# Allegro board BeagleBoard-X15_RevA2.brd (continued)
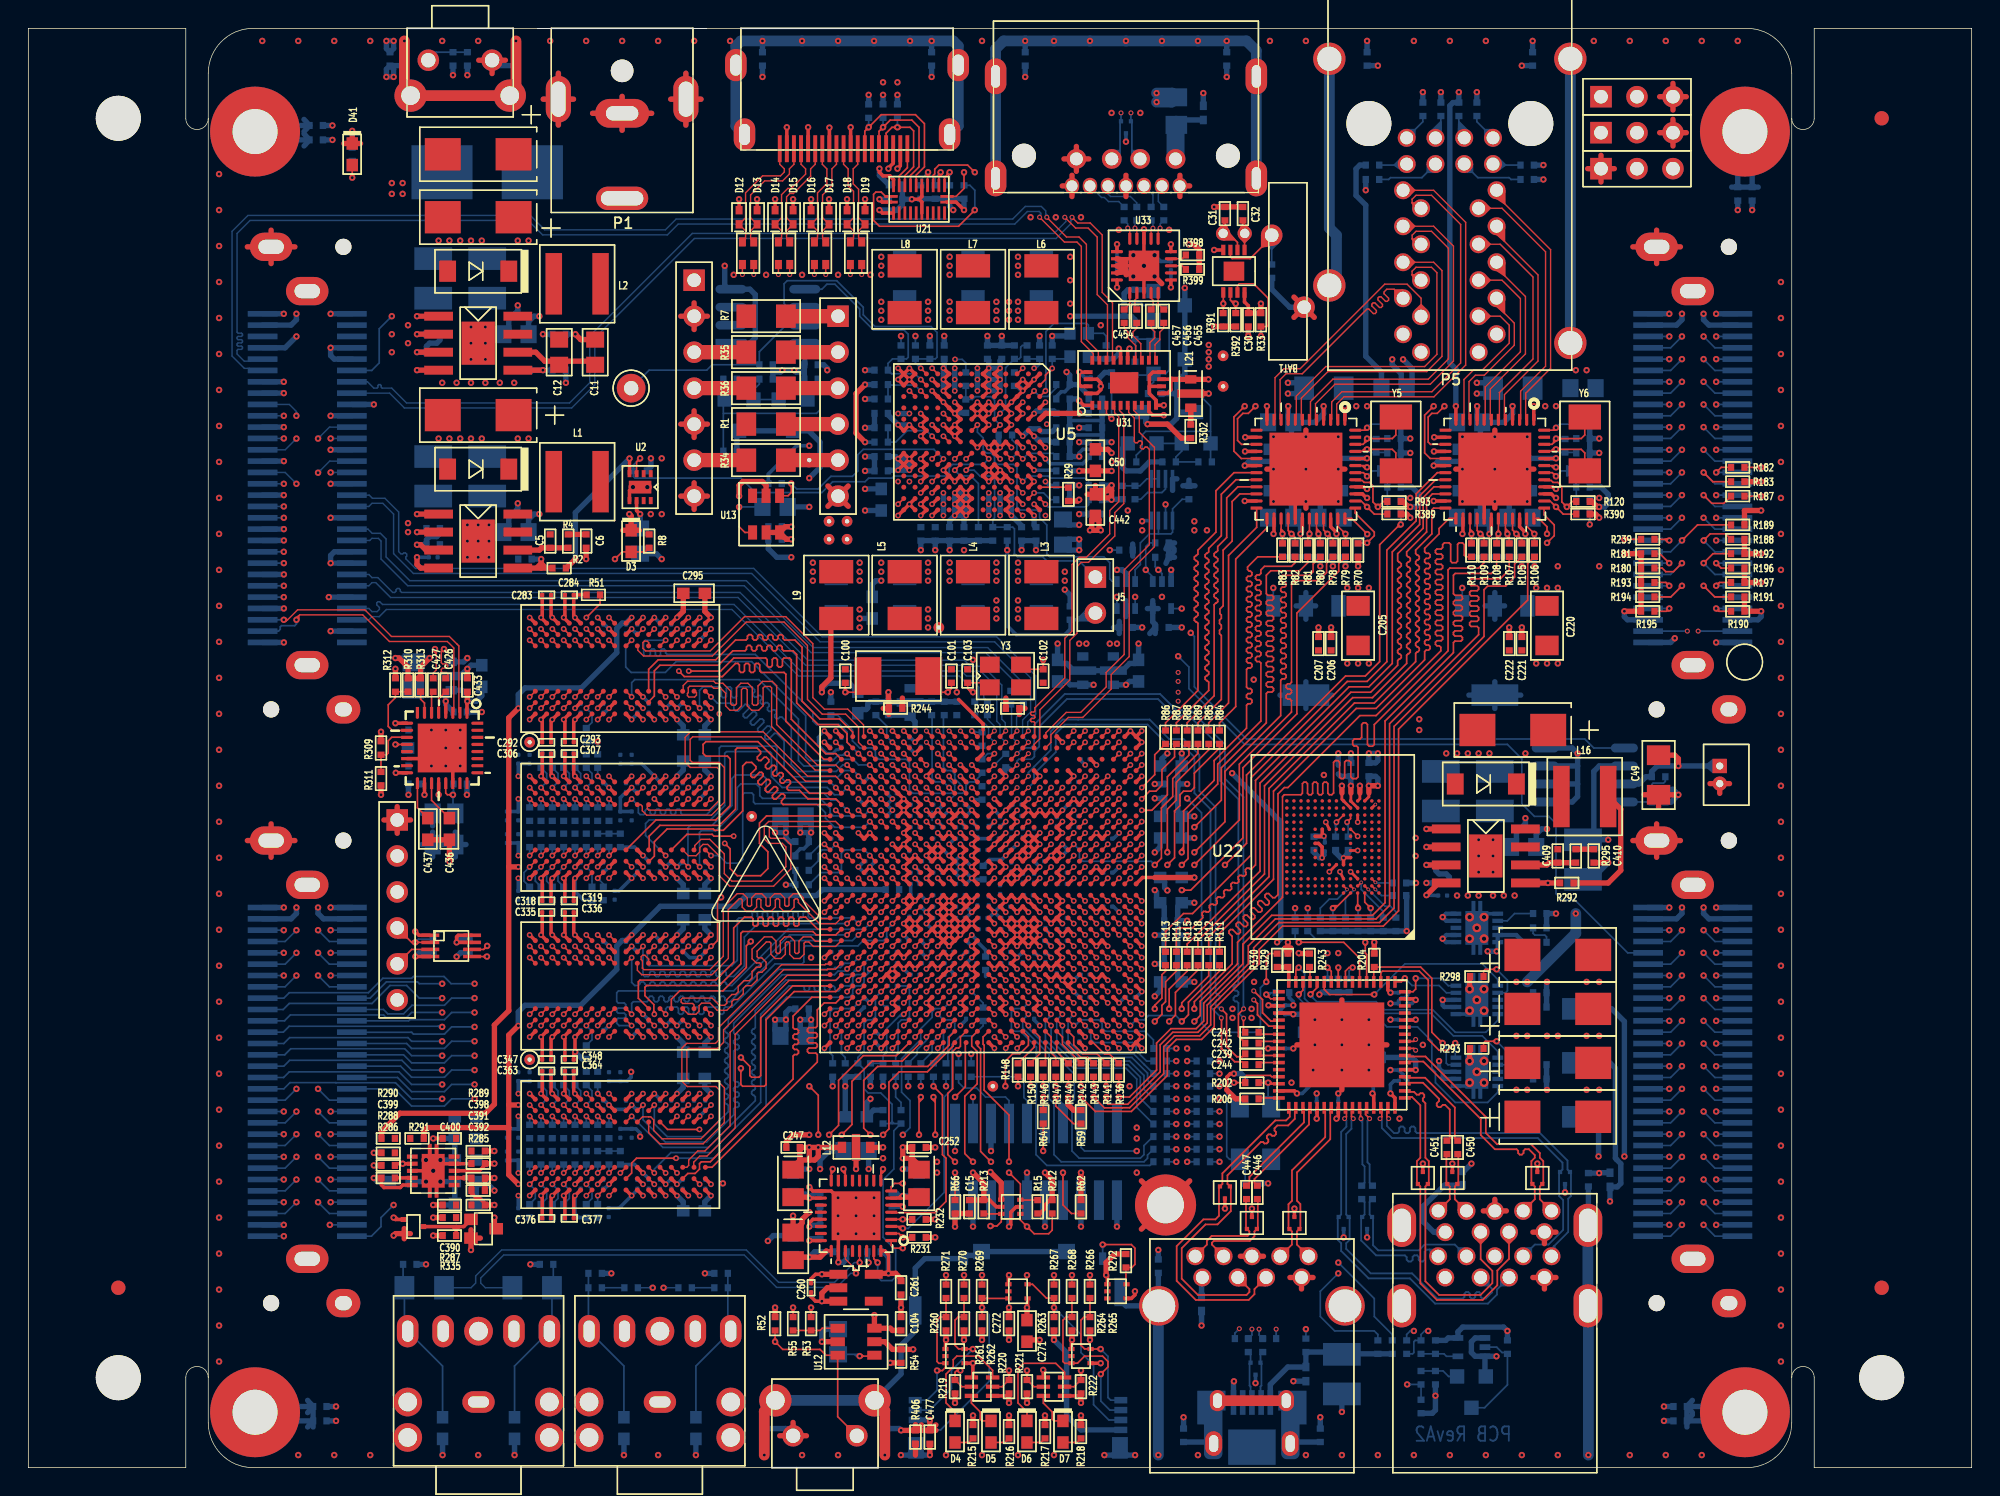
[diagram p0: board, top side]
## Routing (per net, layer and track width the routed paths; a pad name or vN(x,y) marks a point on that pad's centre or on a via; arc(x,y) is an arc through that point) (continued)
USB1V:
  vias: v2(105.03,26.67) v2(105.79,26.67)
USB1VBUS: length 39.9
  SIG_L10 w0.381: P13.1 82.08,13.43 81.28,14.22 81.28,16 87.25,21.97 v2(110.83,21.97)
  BOTTOM w0.381: L18.2 v2(110.83,21.97) ; D35.1 82.8,13.37 P13.1
USB2_5V: length 11.5
  BOTTOM w0.381: P7.1 87.66,5.87 88.89,7.1 D42.1 R31.1 92.55,8.16 C479.1 92.74,8.03 R320.1 R412.1
USB2_DM: length 67.2
  TOP w0.127: U11.AF11 v3(70.59,50.41)
  INT_L3 w0.114: v3(81.15,54.74) 81.29,54.6 81.81,54.6 83.86,52.55 83.86,30.25 83.3,29.69 83.3,17.25 81.53,15.48 81.53,13.47 83.21,11.8 85.88,11.8 86.8,10.87 86.8,9.84 v3(86.87,9.78)
  SIG_L10 w0.114: v3(70.59,50.41) 70.99,50.81 70.99,52.71 74.41,56.12 78.5,56.12 80.01,54.61 81.03,54.61 v3(81.15,54.74)
  BOTTOM w0.127: v3(86.87,9.78) 86.87,9.36 R315.1
USB2_DMEX: length 92.5
  INT_L3 w0.114: v3(88.07,9.78) 88.07,10.21 88.19,10.33 88.48,10.33 88.64,10.16 88.64,9.55 88.75,9.45 88.89,9.45 88.99,9.55 88.99,10.22 89.09,10.33 89.23,10.33 89.33,10.22 89.33,9.55 89.43,9.45 89.57,9.45 89.67,9.55 89.67,10.17 89.83,10.33 90.5,10.33 92.05,8.78 120.17,8.78 121.92,10.53 121.92,54.37 117.66,58.63 117.66,58.85 v3(117.86,59.05)
  BOTTOM w0.127: R315.2 v3(88.07,9.78) ; P16.29 v3(117.86,59.05)
USB2_DP: length 67.1
  TOP w0.127: U11.AE11 v3(70.59,49.61)
  INT_L3 w0.114: v3(81.15,54.1) 81.28,54.23 81.66,54.23 83.49,52.4 83.49,30.4 82.93,29.84 82.93,17.4 81.17,15.63 81.17,13.32 83.06,11.43 85.72,11.43 85.9,11.25 85.9,11 86.06,10.85 86.31,10.85 86.44,10.72 86.44,9.86 v3(86.36,9.78)
  SIG_L10 w0.114: v3(70.59,49.61) 70.97,49.99 70.97,50.27 71.36,50.66 71.36,52.55 74.56,55.75 78.35,55.75 79.86,54.24 81.01,54.24 v3(81.15,54.1)
  BOTTOM w0.127: v3(86.36,9.78) 86.36,9.36 R210.1
USB2_DPEX: length 92.4
  INT_L3 w0.114: v3(117.09,59.05) 117.29,58.85 117.29,58.48 121.55,54.22 121.55,10.68 120.02,9.14 92.2,9.14 90.65,10.69 88.03,10.69 87.7,10.36 87.7,9.73 87.25,9.27 86.23,9.27 85.69,9.81 v3(85.47,9.81)
  BOTTOM w0.127: R314.2 85.16,9.49 v3(85.47,9.81) ; P16.59 v3(117.09,59.05)
USB2_DRVBUS: length 102.9
  TOP w0.12: U11.AC10 v1(71.39,48.01)
  SIG_L5 w0.381: v2(18.03,17.14) 20.45,17.14 24.83,12.76 41.34,12.76 41.73,13.15 62.68,13.15 64.39,14.86 73.28,14.86 75.82,17.4 75.82,24 77.72,25.91 v2(77.72,26.92)
  SIG_L10 w0.381: v2(88.14,37.08) 87.63,37.08 83.06,32.51 83.06,31.24 82.17,30.35 80.9,30.35 77.72,27.18 v2(77.72,26.92)
  BOTTOM w0.381: v2(84.96,49.02) 88.39,45.59 88.39,37.34 v2(88.14,37.08) ; P17.59 v2(18.03,17.14)
USB2_ID: length 53.2
  TOP w0.12: U11.E25 v1(58.59,32.81)
  SIG_L5 w0.094: v1(58.59,32.81) 58.17,32.38 58.17,31.89 57.84,31.56 57.59,31.56 57.34,31.3 57.34,31.05 57.14,30.85 56.76,30.85 56.26,30.35 55.64,30.35 51.05,25.77 51.05,22.1 v2(49.02,20.07)
  SIG_L8 w0.094: v2(25.78,18.54) 26.27,18.06 33.89,18.06 34.42,17.53 47,17.53 49.02,19.54 v2(49.02,20.07)
  BOTTOM w0.12: v2(25.78,18.54) 24.89,17.65 24.89,17.02 24.21,16.34 P17.30 ; R321.2 56.77,29.08 56.59,29.27 56.59,32.17 56.82,32.41 58.19,32.41 v1(58.59,32.81)
USB2_OC: length 48.4
  TOP w0.12: U11.B24 v1(59.39,30.41)
  SIG_L8 w0.094: v2(21.28,17.14) 21.53,16.89 47.37,16.89 51.31,20.83 51.31,24 57.4,30.1 57.4,30.61 57.58,30.78 59.01,30.78 59.38,30.41 v1(59.39,30.41)
  BOTTOM w0.12: P17.29 v2(21.28,17.14)
USB2_VBUS: length 79.1
  TOP w0.12: v1(69.39,71.21) U5.D8
  INT_L3 w0.094: v2(86.49,55.63) 87,55.12 87,22.23 92.46,16.76 v2(92.46,14.48)
  SIG_L5 w0.094: v1(69.39,71.21) 69.39,71.2 70.61,69.98 70.61,69.47 70.87,69.22 71.12,69.22 71.37,68.96 71.37,67.12 72.01,66.49 72.01,64.9 78.11,58.8 78.74,58.8 80.77,56.77 85.34,56.77 v2(86.49,55.63)
  BOTTOM w0.12: v2(92.46,14.48) 95,11.94 95,10.67 96.27,9.4 R412.2 ; R411.1 69.44,72.55 69.78,72.21 69.78,71.6 v1(69.39,71.21)
USB2V:
  vias: v2(105.03,30.48) v2(105.79,30.48)
USB2VBUS: length 27.9
  SIG_L10 w0.381: v2(111.63,18.8) 111.63,15.88 110.36,14.61 109.6,14.61 107.44,12.45 100.98,12.45 P15.1
  BOTTOM w0.381: v2(111.63,18.8) D34.1 112.15,19.82 112.39,20.07 112.39,21.45 112.1,21.74 112.1,21.76 112.01,21.84 112.01,28.19 111.63,28.57 L17.2
USB2VBUS_EXP: length 87.7
  SIG_L5 w0.094: v2(92.46,13.72) 91.95,13.72 90.42,12.19 82.04,12.19 81.03,13.21 77.72,13.21 76.71,12.19 24.64,12.19 20.49,16.34 v2(18.03,16.34)
  BOTTOM w0.12: R320.2 95.25,9.4 95,9.65 92.2,9.65 91.19,10.67 91.19,12.45 v2(92.46,13.72) ; P17.60 v2(18.03,16.34)
USB3V:
  vias: v2(107.19,30.48) v2(107.95,30.48)
USB3VBUS: length 34.3
  SIG_L8 w0.381: P15.10 100.46,17.08 100.46,18.77 101.88,20.19 111.63,20.19 112.65,21.21 v2(112.65,21.97)
  BOTTOM w0.381: P15.10 99.2,16.63 98.5,17.32 98.5,18.49 99.96,19.95 D36.1 ; v2(112.65,21.97) 112.65,31.5 111.76,32.38 L19.2
USB4V: length 116
  SIG_L10 w0.762: v2(109.22,39.12) 112.39,42.29 112.39,44.83 113.92,46.35 119.76,46.35 121.54,48.13 121.54,86.74 118.11,90.17 110.36,90.17 109.6,90.93 109.6,95 106.68,97.92 93.73,97.92 91.82,96.01 80.01,96.01 v2(79.63,96.39) v2(79.63,97.03)
  BOTTOM w0.762: v2(105.79,34.29) 109.22,37.72 v2(109.22,39.12) ; v2(79.63,96.39) 80.69,96.39 L20.1 80.73,97.03 v2(79.63,97.03)
  vias: v2(105.03,34.29)
USB4VBUS: length 4.5
  BOTTOM w0.381: D37.1 81.37,95.13 L20.2
  BOTTOM w1.27: L20.2 80.97,94.73 P6.1
USB_5V: length 39.7
  TOP w0.381: R292.1 111.51,41.27 112.39,42.16 112.39,46.48 L16.2
  INT_L3 w0.381: v2(99.82,33.02) 99.82,33.91 99.31,34.42 99.31,44.07 v2(105.66,50.42)
  SIG_L8 w0.381: v2(99.57,28.7) 99.19,29.08 99.19,32.38 v2(99.82,33.02)
  BOTTOM w0.305: 99.82,27.94 99.57,28.19 v2(99.57,28.7) ; 99.82,27.94 99.82,27.56 99.94,27.44 U29.2 ; 99.82,27.94 U29.3 ; U30.3 v2(99.82,33.02) 99.82,32.64 99.94,32.52 U30.2
USB_DM0: length 24.2
  TOP w0.127: U17.2 89.39,25.33 89.39,24.62 88.92,24.16 88.16,24.16 87.96,23.95 87.96,23.79 88.05,23.7 88.05,23.54 87.94,23.43 87.78,23.43 87.69,23.53 87.53,23.53 87.42,23.41 87.42,23.26 87.52,23.16 87.52,23 87.4,22.89 87.25,22.89 87.15,22.99 86.99,22.99 84.63,20.63 84.63,20.03 D27.1 84.87,19.79 84.87,18.11 83.93,17.17 83.08,17.17 81.41,15.49 81.41,13.34 82.55,12.19 85.98,12.19 86.18,12.4 86.18,12.6 P13.2
USB_DM1: length 25.1
  TOP w0.127: U17.10 93.39,25.33 93.39,24.76 v3(93.51,24.64)
  BOTTOM w0.127: P15.2 103.3,12.63 103.3,12.37 102.87,11.94 102.62,11.94 102.5,12.05 102.5,12.28 102.39,12.4 102.23,12.4 102.12,12.28 102.12,12.05 102.01,11.94 101.85,11.94 101.74,12.05 101.74,12.28 101.63,12.4 101.47,12.4 101.36,12.28 101.36,12.05 101.25,11.94 99.44,11.94 97.66,13.72 94.74,13.72 93.01,15.44 93.01,15.84 93.26,16.08 93.26,17.63 D30.2 93.01,17.87 93.01,23.55 93.39,23.92 93.39,24.51 v3(93.51,24.64)
USB_DM2: length 24.5
  TOP w0.127: U17.18 97.23,26.52 97.8,26.52 98,26.33 98.15,26.33 98.25,26.43 98.41,26.43 98.52,26.32 98.52,26.16 98.42,26.06 98.42,25.9 98.6,25.73 98.6,21.88 98.84,21.64 98.84,20.09 D33.2 98.6,19.85 98.6,13.16 99.57,12.19 102.49,12.19 103.33,13.03 103.33,13.89 102.5,14.72 P15.11
USB_DM3: length 85.6
  TOP w0.127: U17.25 97.78,30.09 v3(97.92,30.23)
  INT_L3 w0.114: v3(77.82,95.63) 77.61,95.85 77.61,96.13 77.74,96.27 78.49,96.27 79.21,95.54 80.23,95.54 80.31,95.46 80.31,95.3 80.01,95 80.01,94.87 80.14,94.74 80.26,94.74 80.56,95.04 80.73,95.04 80.84,94.93 80.84,94.81 80.54,94.51 80.54,94.34 80.65,94.23 80.81,94.23 81.09,94.51 81.26,94.51 82.37,93.4 82.37,74.73 83.06,74.04 83.06,67.82 88.27,62.61 88.27,38.98 90.18,37.06 90.18,35.41 91.68,33.91 91.68,33.29 94.32,30.65 98.33,30.65 98.44,30.53 98.44,30.34 98.33,30.23 v3(97.92,30.23)
  BOTTOM w0.127: v3(77.82,95.63) D32.2 77.89,94.97 77.89,92.96 P6.2
USB_DP0: length 24.2
  TOP w0.127: U17.1 89.03,25.33 89.03,24.77 88.77,24.51 88.01,24.51 84.28,20.78 84.28,20.03 D27.2 84.04,19.79 84.04,17.78 83.78,17.53 82.94,17.53 81.05,15.64 81.05,13.19 82.4,11.84 86.13,11.84 86.54,12.25 86.54,12.6 P13.3
USB_DP1: length 24.9
  TOP w0.127: U17.9 93.03,25.33 93.03,24.77 v3(92.9,24.64)
  BOTTOM w0.127: 104.51,13.43 103.66,12.58 103.66,12.22 103.02,11.58 99.29,11.58 97.51,13.36 94.59,13.36 92.66,15.3 92.66,15.84 92.42,16.08 92.42,17.63 D30.1 92.66,17.87 92.66,23.7 93.03,24.07 93.03,24.51 v3(92.9,24.64)
USB_DP2: length 24.6
  TOP w0.127: U17.17 97.23,26.17 97.66,26.17 98.25,25.58 98.25,21.88 98.01,21.64 98.01,20.09 D33.1 98.25,19.85 98.25,13.01 99.42,11.84 102.64,11.84 103.68,12.87 103.68,13.91 104.51,14.74 104.51,16.63
USB_DP3: length 85.7
  TOP w0.127: U17.24 97.78,29.6 v3(97.92,29.46)
  INT_L3 w0.114: v3(97.92,29.46) 98.45,29.46 98.78,29.8 98.78,30.67 98.47,30.99 96.74,30.99 96.72,31.01 94.48,31.01 92.05,33.44 92.05,34.06 90.55,35.56 90.55,37.21 88.63,39.13 88.63,62.76 83.43,67.97 83.43,74.19 82.73,74.89 82.73,93.54 80.39,95.89 80.08,95.89 80.08,95.89 79.39,95.89 78.85,96.42 78.64,96.63 78.02,96.63 77.58,96.63 77.22,96.27 77.22,95.73 v3(77.12,95.63)
  BOTTOM w0.127: v3(77.12,95.63) D32.1 77.05,94.97 77.05,92.96 P6.3
USB_R1: length 1.5
  TOP w0.12: 88.27,26.1 86.9,26.1 R206.2
USB_RXM0: length 12
  TOP w0.127: P13.5 89.54,15.75 89.54,16.67 89.78,16.92 89.78,18.6 89.54,18.84 89.54,20.84 91.89,23.19 91.89,25.33 U17.7
USB_RXM1: length 23.9
  TOP w0.127: U17.15 95.89,25.33 95.89,24.76 v3(96.01,24.64)
  BOTTOM w0.127: P15.5 107.7,15.12 107.7,15.65 108.68,16.64 108.68,18.98 108.88,19.18 108.88,20.8 D28.2 108.64,21.04 108.64,21.67 106.69,23.62 98.01,23.62 97.9,23.73 97.9,23.97 97.78,24.08 97.63,24.08 97.52,23.97 97.52,23.73 97.4,23.62 97.25,23.62 97.13,23.73 97.13,23.97 97.02,24.08 96.87,24.08 96.75,23.97 96.75,23.73 96.64,23.62 96.39,23.62 95.89,24.12 95.89,24.51 v3(96.01,24.64)
USB_RXM2: length 17.7
  TOP w0.127: P15.14 106.68,18.95 106.68,19.85 D38.2 106.92,20.09 106.92,21.64 106.68,21.88 106.68,22.2 106.05,22.83 103.66,22.83 102.87,23.62 102.87,24.76 98.61,29.02 97.23,29.02 U17.23
USB_RXP0: length 12
  TOP w0.127: U17.6 91.53,25.33 91.53,23.33 89.19,20.99 89.19,18.84 88.94,18.59 88.94,16.92 89.18,16.67 89.18,15.75 P13.6
USB_RXP1: length 23.9
  TOP w0.127: v3(95.4,24.64) 95.53,24.77 95.53,25.33 U17.14
  BOTTOM w0.127: P15.6 106.33,15.75 107.29,15.75 108.33,16.78 108.33,18.89 108.04,19.18 108.04,20.8 D28.1 108.28,21.04 108.28,21.53 106.54,23.27 96.24,23.27 95.53,23.98 95.53,24.51 v3(95.4,24.64)
USB_RXP2: length 17.6
  TOP w0.127: P15.15 106.33,18.95 106.33,19.85 D38.1 106.09,20.09 106.09,21.64 106.33,21.88 106.33,22.06 105.91,22.48 105.64,22.48 105.53,22.37 105.53,22.21 105.42,22.1 105.26,22.1 105.15,22.21 105.15,22.37 105.04,22.48 103.51,22.48 102.51,23.47 102.51,24.61 98.46,28.67 97.23,28.67 U17.22
USB_SNS: length 3.2
  TOP w0.381: R292.2 v2(107.25,41.27) U28.5
  BOTTOM w0.381: v2(107.25,41.27) R296.2
USB_SSRXM0: length 1.5
  TOP w0.127: 88.27,28.6 86.98,28.6 C244.2
USB_SSRXP0: length 1.5
  TOP w0.127: C239.2 86.95,29.1 88.27,29.1
USB_SSTXM0: length 1.5
  TOP w0.127: C242.2 86.96,30.09 88.27,30.09
USB_SSTXP0: length 1.5
  TOP w0.127: C241.2 86.97,30.59 88.27,30.59
USB_TXM0: length 7.2
  TOP w0.127: U17.4 90.39,25.33 90.39,24.23 86.54,20.38 86.54,20.11 C446.1
USB_TXM1: length 5.9
  TOP w0.127: U17.12 94.38,25.32 94.38,24.92 v3(94.67,24.64)
  BOTTOM w0.127: C448.1 94.67,20.11 94.67,21.41 94.51,21.56 94.51,24.49 v3(94.67,24.64)
USB_TXM2: length 6.9
  TOP w0.127: C450.1 100.68,23.28 100.68,25.42 98.58,27.52 97.23,27.52 U17.20
USB_TXP0: length 7.2
  TOP w0.127: U17.3 90.03,25.33 90.03,24.37 86.18,20.52 86.18,20.11 C447.1
USB_TXP1: length 5.7
  TOP w0.127: v3(94.06,24.64) 94.03,24.67 94.03,25.33 U17.11
  BOTTOM w0.127: C449.1 94.31,20.11 94.31,21.26 94.16,21.41 94.16,24.54 v3(94.06,24.64)
USB_TXP2: length 6.9
  TOP w0.127: C451.1 100.33,23.28 100.33,25.28 99.99,25.61 99.84,25.61 99.68,25.45 99.52,25.45 99.41,25.56 99.41,25.72 99.57,25.88 99.57,26.04 98.44,27.17 97.23,27.17 U17.19
USBSP_DM: length 3.7
  BOTTOM w0.127: P7.2 86.96,4.65 86.96,5.73 87.03,5.8 87.03,7.34 D40.2 86.96,8 R211.2
USBSP_DP: length 3.7
  BOTTOM w0.127: R210.2 86.26,8 D40.1 86.19,7.34 86.19,5.8 86.26,5.73 86.26,4.7 P7.3
USR0: length 34.7
  TOP w0.12: v2(65.79,6.86) 65.53,6.86 65.41,6.73 R219.1 65.42,6.19 65.9,5.71 Q3.2 ; U11.F16 v1(65.79,33.61)
  GND_L9 w0.094: v2(64.13,20.83) 64.64,20.32 66.68,20.32 67.18,20.83 67.18,32.77 66.7,33.25 66.14,33.25 v1(65.79,33.61)
  SIG_L10 w0.094: v2(65.79,6.86) 65.41,7.24 65.41,14.35 64.77,14.99 64.77,20.19 v2(64.13,20.83)
USR1: length 30.5
  TOP w0.12: U11.B25 v1(58.59,30.41) ; Q3.5 68.72,5.71 69.2,6.19 R220.1 v2(69.22,6.86)
  SIG_L8 w0.094: v1(58.59,30.41) 58.96,30.03 58.96,29.21 60.71,27.46 60.71,26.67 63.5,23.88 63.5,13.97 69.22,8.26 v2(69.22,6.86)
USR2: length 32.4
  TOP w0.12: v2(70.48,6.86) R221.1 70.5,6.19 70.98,5.71 Q4.2 ; U11.A26 v1(57.79,29.61)
  SIG_L8 w0.094: v2(70.48,6.86) 69.98,6.35 68.96,6.35 68.71,6.6 68.71,8.38 63.25,13.84 63.25,23.75 60.83,26.16 60.45,26.16 59.94,26.67 59.94,27.45 v1(57.79,29.61)
USR3: length 39.3
  TOP w0.12: U11.B22 v1(60.99,30.41) ; v2(74.3,6.86) R222.1 74.28,6.19 73.8,5.71 Q4.5
  GND_L9 w0.094: v1(60.99,30.41) 60.99,30.38 60.58,29.97 60.58,29.21 60.71,29.08 60.71,22.23 v2(60.33,21.84)
  SIG_L10 w0.094: v2(60.33,21.84) 60.71,21.46 62.1,21.46 64.39,19.18 64.39,7.24 65.53,6.1 73.53,6.1 v2(74.3,6.86)
VBG: length 4.8
  TOP w0.12: v1(70.99,72.01) U5.B7
  SIG_L8 w0.381: v2(74.17,72.39) 73.91,72.64 71.62,72.64 v1(70.99,72.01)
  BOTTOM w0.381: C16.2 v2(74.17,72.39)
VDAC_3V3: length 17
  TOP w0.254: C260.1 55.25,13.34 55.56,13.65 v2(56.01,13.65)
  TOP w0.381: 54.48,21.72 55.12,21.72 ; 54.48,21.72 54.45,21.75 C247.1 v2(55.12,22.61) ; 54.48,21.72 53.98,21.21 L15.1 ; 55.12,21.72 v2(55.12,22.61) ; 55.12,21.72 55.5,21.72 55.75,21.97 v2(55.75,22.61) ; U19.1 v2(56.01,13.65) ; v2(55.12,22.61) v2(55.75,22.61) ; L14.1 62.87,21.34 62.36,21.84 ; v2(55.12,18.03) 54.61,17.53 54.61,17.27 53.98,16.64 ; 62.36,21.84 v2(61.72,21.84) v2(61.72,22.61) C252.1 62.39,21.88 62.36,21.84 ; 53.98,16.64 v2(53.98,17.78) ; 53.98,16.64 L13.1 ; v2(55.75,22.61) L12.3
VOUT1_CLK: length 38.5
  SIG_L5 w0.094: v2(115.82,18.74) 114.86,18.74 114.03,19.58 110.22,19.58 109.22,20.57 83.82,20.57 82.36,22.03 81.47,22.03 v2(81.03,22.48)
  BOTTOM w0.12: R149.2 v2(81.03,22.48) ; P18.57 v2(115.82,18.74)
VOUT1_D0: length 38.5
  SIG_L5 w0.094: v2(119.13,20.34) 118.13,21.34 115.7,21.34 114.68,22.35 85.09,22.35 v2(84.07,23.37)
  BOTTOM w0.12: R124.2 v2(84.07,23.37) ; P18.25 v2(119.13,20.34)
VOUT1_D1: length 34.8
  SIG_L5 w0.094: v2(115.82,20.34) 114.57,21.59 110.49,21.59 109.98,22.1 84.84,22.1 84.45,22.48 v2(84.07,22.48)
  BOTTOM w0.12: P18.55 v2(115.82,20.34) ; R125.2 v2(84.07,22.48)
VOUT1_D2: length 37
  SIG_L5 w0.094: v2(116.71,21.94) 116.05,22.61 86.36,22.61 84.71,24.26 v2(84.07,24.26)
  BOTTOM w0.12: R126.2 v2(84.07,24.26) ; P18.54 115.91,21.14 116.71,21.94 v2(116.71,21.94)
VOUT1_D3: length 38.7
  SIG_L5 w0.094: v2(84.07,21.59) 84.58,21.08 109.47,21.08 110.49,20.07 114.68,20.07 115.19,19.56 117.45,19.56 v2(118.24,20.34)
  BOTTOM w0.12: R127.2 v2(84.07,21.59) ; v2(118.24,20.34) 119.04,19.54 P18.26
VOUT1_D4: length 38.6
  SIG_L5 w0.094: v2(116.71,26.74) 116.71,26.29 116.33,25.91 113.41,25.91 111.12,23.62 86.87,23.62 84.45,26.04 v2(84.07,26.04)
  BOTTOM w0.12: P18.48 115.91,25.94 v2(116.71,26.74) ; R128.2 v2(84.07,26.04)
VOUT1_D5: length 35.6
  SIG_L5 w0.094: v2(115.82,25.14) 115.44,24.77 113.54,24.77 111.89,23.11 86.61,23.11 84.58,25.15 v2(84.07,25.15)
  BOTTOM w0.12: P18.49 v2(115.82,25.14) ; R129.2 v2(84.07,25.15)
VOUT1_D6: length 35.9
  SIG_L5 w0.094: v2(115.82,28.34) 110.38,28.34 108.2,26.16 99.7,26.16 98.17,27.69 90.3,27.69 89.66,28.32 86.61,28.32 86.23,28.7 v2(84.07,28.7)
  BOTTOM w0.12: P18.45 v2(115.82,28.34) ; R130.2 v2(84.07,28.7)
VOUT1_D7: length 38.6
  SIG_L5 w0.094: v2(84.07,27.81) 84.45,27.81 84.84,28.19 85.98,28.19 86.36,27.81 89.41,27.81 90.04,27.18 97.92,27.18 99.44,25.65 110.62,25.65 112.65,27.69 116.46,27.69 116.71,27.94 v2(116.71,28.34)
  BOTTOM w0.12: v2(116.71,28.34) 116.71,28.34 115.91,27.54 P18.46 ; R131.2 v2(84.07,27.81)
VOUT1_D8: length 36.1
  SIG_L5 w0.094: v2(84.07,26.92) 84.33,26.92 87.12,24.13 110.36,24.13 112.97,26.74 v2(115.82,26.74)
  BOTTOM w0.12: R132.2 v2(84.07,26.92) ; P18.47 v2(115.82,26.74)
VOUT1_D9: length 41.1
  SIG_L5 w0.094: v2(81.03,24.26) 81.15,24.26 81.6,23.81 82.04,23.81 83.86,21.99 84.43,21.99 84.58,21.84 109.09,21.84 110.62,20.32 114.94,20.32 115.44,19.81 116.19,19.81 v2(116.71,20.34)
  BOTTOM w0.12: P18.56 115.91,19.54 v2(116.71,20.34) ; R133.2 v2(81.03,24.26)
VOUT1_D10: length 43
  SIG_L5 w0.094: v2(118.24,28.34) 117.33,27.43 113.03,27.43 110.74,25.15 86.49,25.15 84.26,27.37 81.6,27.37 81.15,27.81 v2(81.03,27.81)
  BOTTOM w0.12: v2(118.24,28.34) 118.24,28.34 119.04,27.54 P18.16 ; R134.2 v2(81.03,27.81)
VOUT1_D11: length 43.1
  SIG_L5 w0.094: v2(118.24,26.74) 117.04,25.54 113.68,25.54 111.51,23.37 86.74,23.37 84.52,25.59 81.6,25.59 81.15,26.04 v2(81.03,26.04)
  BOTTOM w0.12: R135.2 v2(81.03,26.04) ; P18.18 119.04,25.94 v2(118.24,26.74)
VOUT1_D12: length 47.1
  TOP w0.12: R136.2 v2(76.96,26.92)
  SIG_L10 w0.094: v2(76.96,26.92) 77.72,26.16 78.49,26.16 80.58,28.26 85.66,28.26 88.27,25.65 117.72,25.65 v2(118.24,25.14)
  BOTTOM w0.12: v2(118.24,25.14) 119.04,24.34 P18.20
VOUT1_D13: length 43.2
  SIG_L5 w0.094: v2(119.13,28.34) 118.64,28.83 116.59,28.83 116.22,28.46 116.22,28.08 116.08,27.94 110.49,27.94 108.46,25.91 99.57,25.91 98.04,27.43 90.17,27.43 89.53,28.07 86.49,28.07 86.11,28.45 84.58,28.45 84.39,28.26 81.6,28.26 81.15,28.7 v2(81.03,28.7)
  BOTTOM w0.12: R138.2 v2(81.03,28.7) ; P18.15 v2(119.13,28.34)
VOUT1_D14: length 43.3
  SIG_L5 w0.094: v2(119.13,26.74) 118.69,27.18 116.58,27.18 116.31,26.91 116.31,26.52 116.08,26.29 113.16,26.29 110.74,23.88 87,23.88 84.39,26.48 81.6,26.48 81.15,26.92 v2(81.03,26.92)
  BOTTOM w0.12: P18.17 v2(119.13,26.74) ; R139.2 v2(81.03,26.92)
VOUT1_D15: length 43.3
  SIG_L5 w0.094: v2(81.03,29.59) 81.28,29.59 81.66,29.21 86.11,29.21 86.74,28.57 98.81,28.57 100.84,26.54 103.25,26.54 105.3,28.59 115.08,28.59 115.44,28.96 116.26,28.96 116.52,29.21 117.51,29.21 v2(118.24,29.94)
  BOTTOM w0.12: R140.2 v2(81.03,29.59) ; P18.14 119.04,29.14 v2(118.24,29.94)
VOUT1_D16: length 46.9
  TOP w0.12: R141.2 v2(76.07,26.92)
  SIG_L10 w0.094: v2(76.07,26.92) 76.07,26.8 76.56,26.31 76.56,25.8 76.71,25.65 78.99,25.65 80.71,27.37 84.23,27.37 86.2,25.4 114.68,25.4 115.32,24.77 116.34,24.77 v2(116.71,25.14)
  BOTTOM w0.12: P18.50 115.91,24.34 v2(116.71,25.14)
VOUT1_D17: length 45.8
  TOP w0.12: R142.2 v2(74.3,26.92)
  SIG_L10 w0.094: v2(74.3,26.92) 74.7,26.52 74.7,25.89 75.44,25.15 80.01,25.15 80.45,25.59 85.03,25.59 86.36,24.26 115.1,24.26 v2(115.82,23.54)
  BOTTOM w0.12: P18.51 v2(115.82,23.54)
VOUT1_D18: length 48.8
  TOP w0.12: R143.2 v2(75.18,26.92)
  SIG_L10 w0.094: v2(119.13,23.54) 118.41,24.26 115.44,24.26 114.55,25.15 85.98,25.15 84.65,26.48 80.58,26.48 79.5,25.4 76.07,25.4 75.67,25.8 75.67,26.31 75.18,26.8 v2(75.18,26.92)
  BOTTOM w0.12: P18.21 v2(119.13,23.54)
VOUT1_D19: length 51
  TOP w0.12: R144.2 v2(73.41,26.92)
  SIG_L10 w0.094: v2(73.41,26.92) 73.41,26.8 73.89,26.31 73.89,25.8 74.8,24.89 79.63,24.89 79.82,24.7 85.53,24.7 86.36,23.88 114.68,23.88 115.44,23.11 116.08,23.11 116.31,23.35 116.31,23.73 116.59,24 117.77,24 v2(118.24,23.54)
  BOTTOM w0.12: P18.22 119.04,22.74 v2(118.24,23.54)
VOUT1_D20: length 42.2
  SIG_L5 w0.094: v2(81.03,25.15) 81.15,25.15 81.6,24.7 84.65,24.7 86.49,22.86 112.27,22.86 113.54,24.13 118.12,24.13 v2(119.13,25.14)
  BOTTOM w0.12: P18.19 v2(119.13,25.14) ; R145.2 v2(81.03,25.15)
VOUT1_D21: length 52.1
  TOP w0.12: R146.2 v2(71.63,26.92)
  SIG_L10 w0.094: v2(71.63,26.92) 71.63,26.8 72.03,26.39 72.03,25.89 73.53,24.38 79.12,24.38 80.52,22.99 114.55,22.99 114.94,22.61 118.46,22.61 v2(119.13,21.94)
  BOTTOM w0.12: P18.23 v2(119.13,21.94)
VOUT1_D22: length 50.2
  TOP w0.12: R147.2 v2(72.52,26.92)
  SIG_L10 w0.094: v2(72.52,26.92) 72.52,26.8 72.92,26.39 72.92,25.89 74.17,24.64 79.5,24.64 80.33,23.81 86.04,23.81 86.36,23.5 114.55,23.5 115.19,22.86 116.46,22.86 116.71,23.11 v2(116.71,23.54)
  BOTTOM w0.12: P18.52 115.91,22.74 v2(116.71,23.54)
VOUT1_D23: length 55.6
  TOP w0.12: R148.2 v2(69.85,26.92)
  SIG_L10 w0.094: v2(69.85,26.92) 69.85,26.35 72.32,23.88 74.93,23.88 77.22,21.59 80.26,21.59 80.65,21.21 84.96,21.21 86.23,22.48 114.05,22.48 115.06,21.46 117.76,21.46 v2(118.24,21.94)
  BOTTOM w0.12: P18.24 119.04,21.14 118.24,21.94 v2(118.24,21.94)
VOUT1_DE: length 50.3
  TOP w0.12: R150.2 v2(70.74,26.92)
  SIG_L10 w0.094: v2(70.74,26.92) 70.74,26.29 72.9,24.13 75.18,24.13 77.34,21.97 85.09,21.97 85.89,22.77 114.27,22.77 115.09,21.94 v2(115.82,21.94)
  BOTTOM w0.12: P18.53 v2(115.82,21.94)
VOUT1_HSYNC: length 42.2
  SIG_L5 w0.094: v2(119.13,18.74) 118.56,19.3 114.94,19.3 114.43,19.81 110.36,19.81 109.35,20.83 84.07,20.83 81.98,22.92 81.47,22.92 v2(81.03,23.37)
  BOTTOM w0.12: P18.27 v2(119.13,18.74) ; R152.2 v2(81.03,23.37)
VOUT1_RD0: length 19.3
  TOP w0.12: U11.F11 v1(70.59,33.61)
  SIG_L5 w0.094: v2(81.79,23.37) 81.66,23.37 81.22,23.81 80.71,23.81 79.88,24.64 79.88,25.53 77.72,27.69 73.41,27.69 70.21,30.88 70.21,33.23 v1(70.59,33.61)
  BOTTOM w0.12: R124.1 v2(81.79,23.37)
VOUT1_RD1: length 20
  TOP w0.12: U11.G10 v1(71.39,34.41)
  GND_L9 w0.094: v2(81.79,22.48) 81.34,22.92 80.45,22.92 78.11,25.27 75.31,25.27 74.68,25.91 74.68,28.18 72.63,30.23 72.63,33.79 72.42,34 72.04,34 71.64,34.41 v1(71.39,34.41)
  BOTTOM w0.12: R125.1 v2(81.79,22.48)
VOUT1_RD2: length 17.9
  TOP w0.12: U11.F10 v1(71.39,33.61)
  SIG_L5 w0.094: v1(71.39,33.61) 70.99,33.21 70.99,30.99 74.04,27.94 77.85,27.94 80.14,25.65 80.14,25.15 80.58,24.7 81.22,24.7 81.66,24.26 v2(81.79,24.26)
  BOTTOM w0.12: R126.1 v2(81.79,24.26)
VOUT1_RD3: length 21.1
  TOP w0.12: U11.G11 v1(70.59,34.41)
  GND_L9 w0.094: v2(81.79,21.59) 81.34,22.03 80.84,22.03 77.98,24.89 74.93,24.89 73.91,25.91 73.91,28.45 71.76,30.6 71.76,33.77 71.54,34 71.26,34 70.85,34.41 v1(70.59,34.41)
  BOTTOM w0.12: R127.1 v2(81.79,21.59)
VOUT1_RD4: length 14.7
  TOP w0.12: U11.E9 v1(72.19,32.81)
  SIG_L5 w0.094: v2(81.79,26.04) 81.66,26.04 81.22,26.48 80.58,26.48 78.61,28.45 74.68,28.45 72.56,30.56 72.56,32.43 v1(72.19,32.81)
  BOTTOM w0.12: R128.1 v2(81.79,26.04)
VOUT1_RD5: length 16.5
  TOP w0.12: U11.F9 v1(72.19,33.61)
  SIG_L5 w0.094: v1(72.19,33.61) 71.76,33.18 71.76,30.85 74.42,28.19 77.98,28.19 80.58,25.59 81.22,25.59 81.66,25.15 v2(81.79,25.15)
  BOTTOM w0.12: R129.1 v2(81.79,25.15)
VOUT1_RD6: length 13.4
  TOP w0.12: U11.F8 v1(72.99,33.61)
  SIG_L5 w0.094: v1(72.99,33.61) 73.41,33.19 73.88,33.19 73.88,33.18 73.94,33.18 74.16,32.96 74.16,32.69 74.43,32.43 74.76,32.43 75.01,32.18 75.01,30.25 76.05,29.21 80.52,29.21 80.58,29.15 81.22,29.15 81.66,28.7 v2(81.79,28.7)
  BOTTOM w0.12: R130.1 v2(81.79,28.7)
VOUT1_RD7: length 12.6
  TOP w0.12: U11.E7 v1(73.79,32.81)
  SIG_L5 w0.094: v1(73.79,32.81) 73.79,32.64 74.17,32.26 74.17,30.2 74.39,29.98 74.74,29.98 75.77,28.96 80.01,28.96 80.71,28.26 81.22,28.26 81.66,27.81 v2(81.79,27.81)
  BOTTOM w0.12: R131.1 v2(81.79,27.81)
VOUT1_RD8: length 13.8
  TOP w0.12: U11.E8 v1(72.99,32.81)
  SIG_L5 w0.094: v1(72.99,32.81) 73.41,32.39 73.41,30.1 74.8,28.7 79.38,28.7 80.71,27.37 81.22,27.37 81.66,26.92 v2(81.79,26.92)
  BOTTOM w0.12: R132.1 v2(81.79,26.92)
VOUT1_RD9: length 13.8
  TOP w0.12: U11.D9 v1(72.19,32.01)
  BOTTOM w0.12: R133.1 78.23,25.43 78.23,27.43 77.47,28.19 73.79,28.19 71.79,30.19 71.79,31.53 72.19,31.93 v1(72.19,32.01)
VOUT1_RD10: length 9.6
  TOP w0.12: U11.D7 v1(73.79,32.01)
  BOTTOM w0.12: v1(73.79,32.01) 73.39,31.61 73.39,30.12 74.3,29.21 74.42,29.21 74.42,29.21 78.01,29.21 78.76,28.46 78.77,28.46 R134.1
VOUT1_RD11: length 11.7
  TOP w0.12: U11.D8 v1(72.99,32.01)
  BOTTOM w0.12: R135.1 78.74,26.7 78.74,27.69 77.72,28.7 74.04,28.7 72.59,30.16 72.59,31.61 v1(72.99,32.01)
VOUT1_RD12: length 2.6
  TOP w0.12: U11.A5 75.15,30.01 75.96,29.19 76.31,29.19 R136.1
VOUT1_RD13: length 6.9
  TOP w0.12: U11.C6 v1(74.59,31.21)
  BOTTOM w0.12: R138.1 78.92,28.7 78.19,29.44 78.19,29.77 77.95,30.01 75.22,30.01 74.99,30.24 74.99,30.81 v1(74.59,31.21)
VOUT1_RD14: length 9.7
  TOP w0.12: U11.C8 v1(72.99,31.21)
  BOTTOM w0.12: v1(72.99,31.21) 72.99,30.14 74.17,28.96 77.88,28.96 78.99,27.85 78.99,27.34 R139.1
VOUT1_RD15: length 7.7
  TOP w0.12: U11.C7 v1(73.79,31.21)
  BOTTOM w0.12: R140.1 79.41,30.19 78.8,30.81 76.02,30.81 75.79,31.04 75.79,31.37 75.55,31.61 74.28,31.61 73.88,31.21 v1(73.79,31.21)
VOUT1_RD16: length 4
  TOP w0.12: R141.1 76.07,28.57 75.44,29.21 74.43,29.21 73.79,29.85 73.79,30.4 U11.B7
VOUT1_RD17: length 3
  TOP w0.12: U11.B8 72.99,30.41 72.99,29.88 74.3,28.57 R142.1
VOUT1_RD18: length 2.5
  TOP w0.12: R143.1 74.76,28.96 74.29,28.96 73.39,29.87 U11.A7
VOUT1_RD19: length 1.8
  TOP w0.12: U11.A8 72.59,29.36 R144.1
VOUT1_RD20: length 11.8
  TOP w0.12: U11.C9 v1(72.19,31.21)
  BOTTOM w0.12: v1(72.19,31.21) 72.19,30.18 73.91,28.45 77.6,28.45 78.49,27.56 78.49,26.07 R145.1
VOUT1_RD21: length 1.5
  TOP w0.12: U11.A9 71.79,28.7 R146.1
VOUT1_RD22: length 2.6
  TOP w0.12: U11.B9 72.19,30.41 72.19,29.29 72.52,28.96 R147.1
VOUT1_RD23: length 1.9
  TOP w0.12: U11.A10 70.99,29.68 R148.1
VOUT1_RDCLK: length 19.3
  TOP w0.12: U11.D11 v1(70.59,32.01)
  BOTTOM w0.12: v1(70.59,32.01) 70.19,31.61 70.19,31.03 72.04,29.18 72.04,26.05 72.39,25.7 72.39,22.1 72.9,21.59 78.74,21.59 78.99,21.84 78.99,22.06 R149.1